# KiCad board ergotonic_f24 - コピー.kicad_pcb
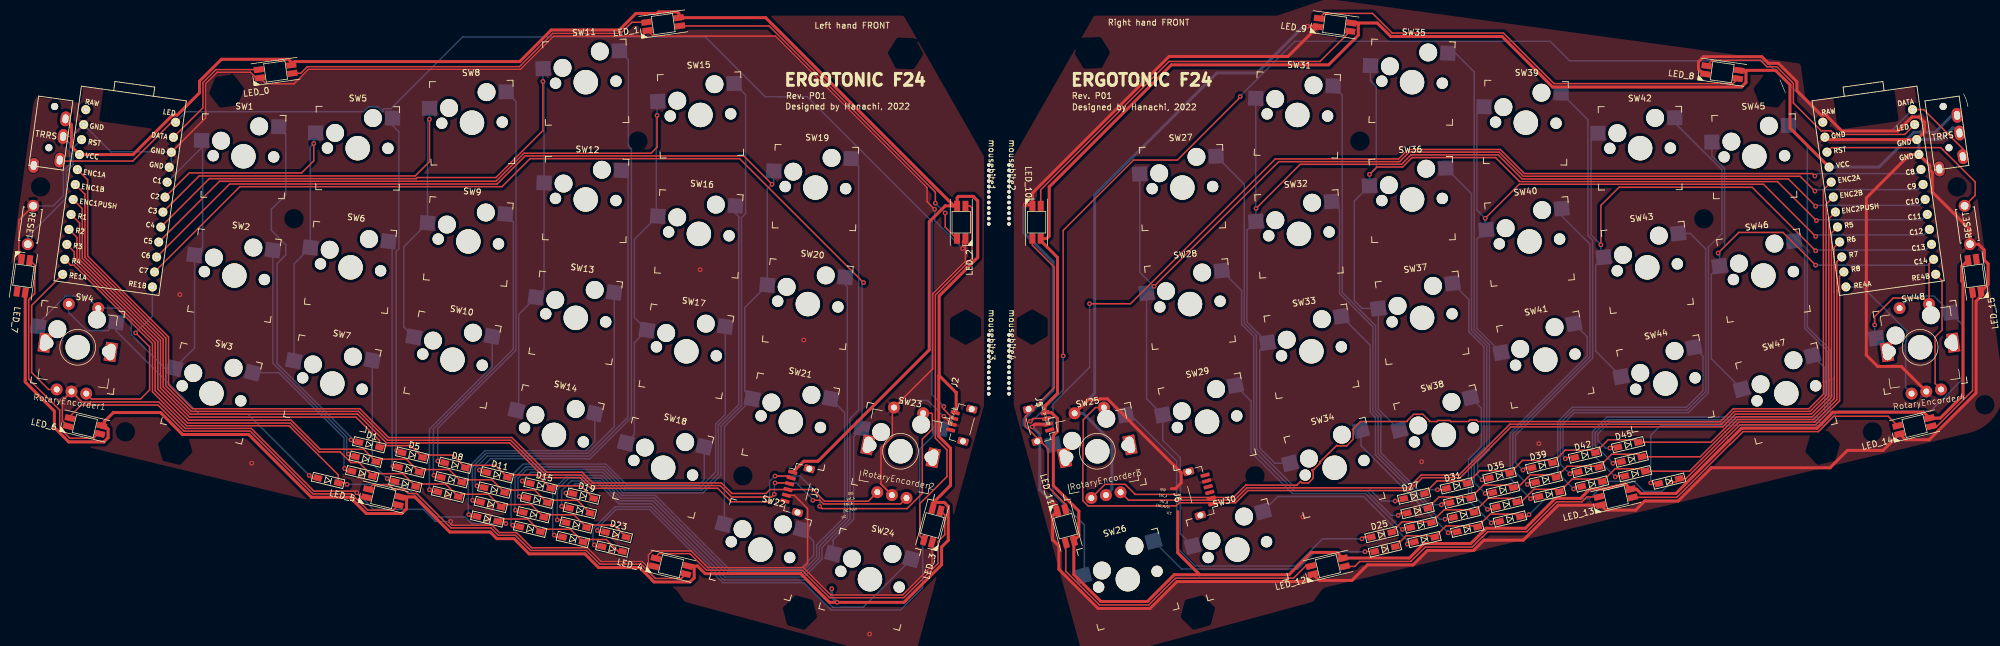
[diagram p0: board, top side]
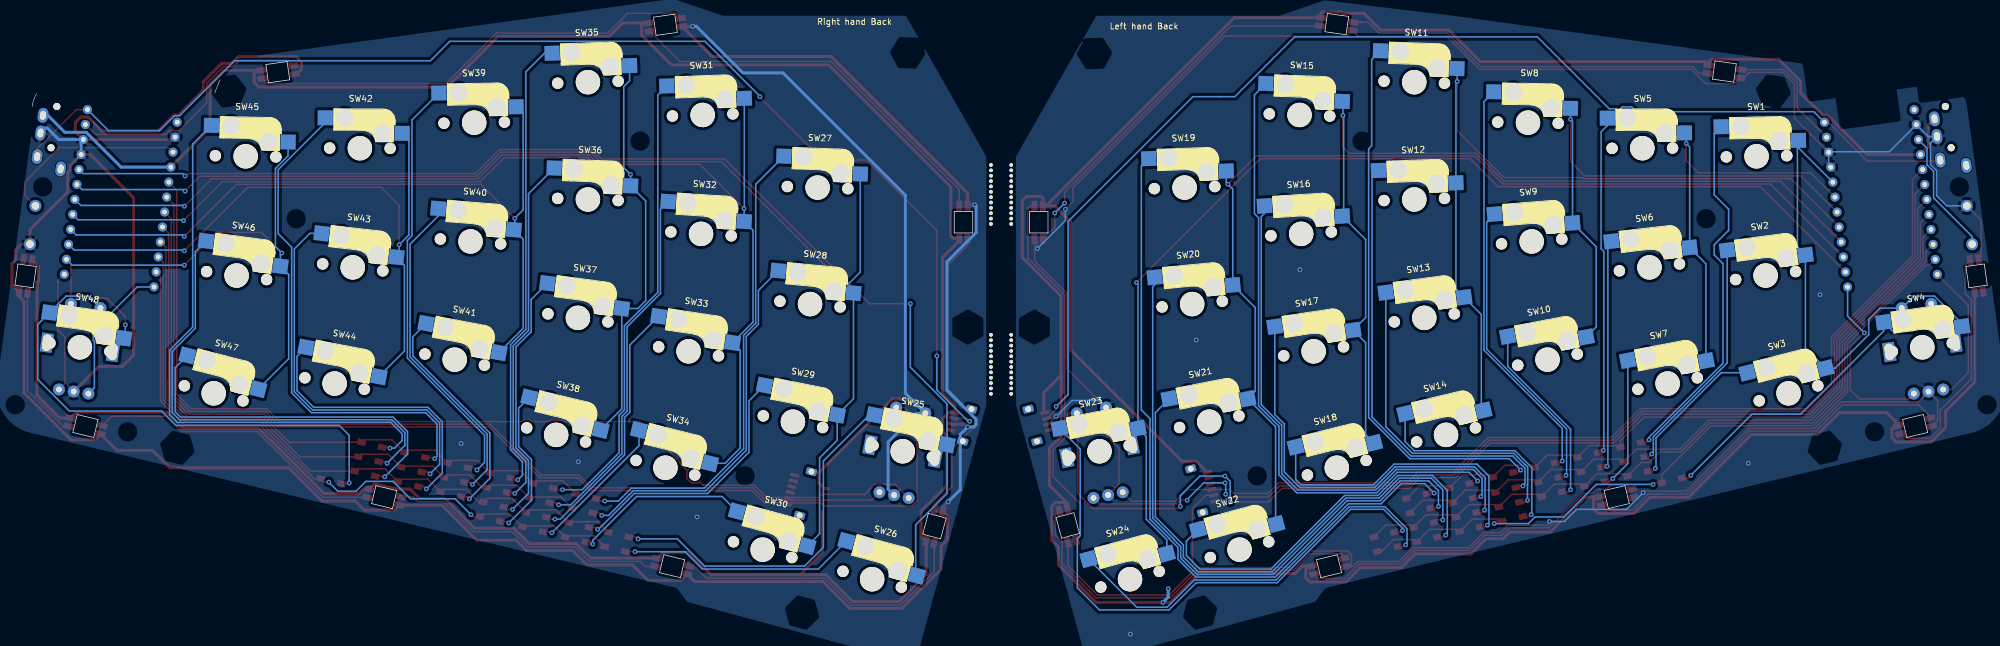
[diagram p1: board, bottom side, seen from below]

Outline 331.21 x 94.78 mm; copper layers: Top, Bottom. Coordinates in mm from the lower left corner of the outline.
Outline path: 296.78,83.65 297.69,81.4
Stack: Top 0.035mm / dielectric 1.51mm FR4 er 4.5 / Bottom 0.035mm

## Placement (name value [footprint] x y rotation side)
D1  1N4148W  [D3_SMD_v2]  59.86 22.33 166.5 top
D2  1N4148W  [D3_SMD_v2]  59.28 19.9 166.5 top
D3  1N4148W  [D3_SMD_v2]  58.7 17.47 166.5 top
D4  1N4148W  [D3_SMD_v2]  52.95 16.33 166.5 top
D5  1N4148W  [D3_SMD_v2]  67.1 20.6 166.5 top
D6  1N4148W  [D3_SMD_v2]  66.51 18.17 166.5 top
D7  1N4148W  [D3_SMD_v2]  65.93 15.73 166.5 top
D8  1N4148W  [D3_SMD_v2]  74.28 18.87 166.5 top
D9  1N4148W  [D3_SMD_v2]  73.69 16.44 166.5 top
D10  1N4148W  [D3_SMD_v2]  73.11 14.01 166.5 top
D11  1N4148W  [D3_SMD_v2]  81.33 17.27 166.5 top
D12  1N4148W  [D3_SMD_v2]  80.87 14.72 166.5 top
D13  1N4148W  [D3_SMD_v2]  80.29 12.29 166.5 top
D14  1N4148W  [D3_SMD_v2]  79.7 9.86 166.5 top
D15  1N4148W  [D3_SMD_v2]  88.63 15.43 166.5 top
D16  1N4148W  [D3_SMD_v2]  88.05 13 166.5 top
D17  1N4148W  [D3_SMD_v2]  87.47 10.56 166.5 top
D18  1N4148W  [D3_SMD_v2]  86.88 8.13 166.5 top
D19  1N4148W  [D3_SMD_v2]  95.81 13.7 166.5 top
D20  1N4148W  [D3_SMD_v2]  95.23 11.27 166.5 top
D21  1N4148W  [D3_SMD_v2]  94.64 8.84 166.5 top
D22  1N4148W  [D3_SMD_v2]  94.06 6.41 166.5 top
D23  1N4148W  [D3_SMD_v2]  101.28 7.24 166.5 top
D24  1N4148W  [D3_SMD_v2]  100.69 4.81 166.5 top
D25  1N4148W  [D3_SMD_v2]  229.86 7.24 193.5 top
D26  1N4148W  [D3_SMD_v2]  230.45 4.8 193.5 top
D27  1N4148W  [D3_SMD_v2]  235.33 13.7 193.5 top
D28  1N4148W  [D3_SMD_v2]  235.91 11.27 193.5 top
D29  1N4148W  [D3_SMD_v2]  236.49 8.84 193.5 top
D30  1N4148W  [D3_SMD_v2]  237.08 6.41 193.5 top
D31  1N4148W  [D3_SMD_v2]  242.5 15.42 193.5 top
D32  1N4148W  [D3_SMD_v2]  243.09 12.99 193.5 top
D33  1N4148W  [D3_SMD_v2]  243.67 10.56 193.5 top
D34  1N4148W  [D3_SMD_v2]  244.26 8.13 193.5 top
D35  1N4148W  [D3_SMD_v2]  249.68 17.15 193.5 top
D36  1N4148W  [D3_SMD_v2]  250.27 14.72 193.5 top
D37  1N4148W  [D3_SMD_v2]  250.85 12.29 193.5 top
D38  1N4148W  [D3_SMD_v2]  251.43 9.86 193.5 top
D39  1N4148W  [D3_SMD_v2]  256.86 18.87 193.5 top
D40  1N4148W  [D3_SMD_v2]  257.44 16.44 193.5 top
D41  1N4148W  [D3_SMD_v2]  258.03 14.01 193.5 top
D42  1N4148W  [D3_SMD_v2]  264.04 20.59 193.5 top
D43  1N4148W  [D3_SMD_v2]  264.62 18.16 193.5 top
D44  1N4148W  [D3_SMD_v2]  265.21 15.73 193.5 top
D45  1N4148W  [D3_SMD_v2]  271.28 22.33 193.5 top
D46  1N4148W  [D3_SMD_v2]  271.86 19.9 193.5 top
D47  1N4148W  [D3_SMD_v2]  272.44 17.47 193.5 top
D48  1N4148W  [D3_SMD_v2]  278.14 16.22 193.5 top
J1  MJ-4PP-9  [MJ-4PP-9_1side]  7.24 80.64 352 top
J2  Conn_01x04  [JST_SH_BM03B-SRSS-TB_1x04-1MP_P1.00mm_Vertical]  159.16 25.92 254.9 top
J3  Conn_01x06  [JST_SH_BM03B-SRSS-TB_1x06-1MP_P1.00mm_Vertical]  131.61 14.94 254.9 top
J4  MJ-4PP-9  [MJ-4PP-9_1side]  323.97 80.64 8 top
J5  Conn_01x04  [JST_SH_BM03B-SRSS-TB_1x04-1MP_P1.00mm_Vertical]  172.48 25.92 105.1 top
J6  Conn_01x06  [JST_SH_BM03B-SRSS-TB_1x06-1MP_P1.00mm_Vertical]  199.61 14.45 105.1 top
LED_0  -  [YS-SK6812MINI-E]  44.14 85.03 8 top
LED_1  -  [YS-SK6812MINI-E]  109.23 93 8 top
LED_2  -  [YS-SK6812MINI-E]  159.29 59.71 90 top
LED_3  YS-SK6812MINI-E  [YS-SK6812MINI-E#3]  154.42 8.77 74.9 top
LED_4  -  [YS-SK6812MINI-E]  110.53 1.93 346.5 top
LED_5  -  [YS-SK6812MINI-E]  62.23 13.53 346.5 top
LED_6  -  [YS-SK6812MINI-E]  12.11 25.48 346.5 top
LED_7  -  [YS-SK6812MINI-E]  1.79 50.7 262 top
LED_8  -  [YS-SK6812MINI-E]  287.07 84.91 352 top
LED_9  -  [YS-SK6812MINI-E]  221.98 92.87 352 top
LED_10  -  [YS-SK6812MINI-E]  171.93 59.71 270 top
LED_11  YS-SK6812MINI-E  [YS-SK6812MINI-E#2]  176.8 8.66 285.1 top
LED_12  -  [YS-SK6812MINI-E]  220.85 1.93 13.5 top
LED_13  -  [YS-SK6812MINI-E]  269.2 13.53 13.5 top
LED_14  -  [YS-SK6812MINI-E]  319.37 25.48 13.5 top
LED_15  -  [YS-SK6812MINI-E]  329.43 50.7 98 top
mousebite1  -  [mousebite]  163.61 69.62 270 top
mousebite2  -  [mousebite]  167.01 69.62 270 top
mousebite3  -  [mousebite]  163.61 41.09 270 top
mousebite4  -  [mousebite]  167.01 41.09 270 top
RE1  RotaryEncoder_Switch  [RotaryEncoder_Alps_EC11E-Switch_Vertical_H20mm_rev2]  10.91 38.69 82 top
RE2  RotaryEncoder_Switch  [RotaryEncoder_Alps_EC11E-Switch_Vertical_H20mm_rev2]  149.08 21.23 78.9 top
RE3  RotaryEncoder_Switch  [RotaryEncoder_Alps_EC11E-Switch_Vertical_H20mm_rev2]  182.13 21.23 101.1 top
RE4  RotaryEncoder_Switch  [RotaryEncoder_Alps_EC11E-Switch_Vertical_H20mm_rev2]  320.31 38.69 98 top
SW1  SW_PUSH  [CherryMX_Hotswap]  38.74 70.78 358.9 top
SW2  SW_PUSH  [CherryMX_Hotswap]  37.22 50.75 352.4 top
SW3  SW_PUSH  [CherryMX_Hotswap]  33.37 30.97 345.6 top
SW4  SW_PUSH  [CherryMX_Hotswap]  10.91 38.69 352 top
SW5  SW_PUSH  [CherryMX_Hotswap]  57.93 72.15 359.7 top
SW6  SW_PUSH  [CherryMX_Hotswap]  56.73 52.13 353.4 top
SW7  SW_PUSH  [CherryMX_Hotswap]  53.68 32.61 349.1 top
SW8  SW_PUSH  [CherryMX_Hotswap]  77.12 76.43 1.1 top
SW9  SW_PUSH  [CherryMX_Hotswap]  76.51 56.48 355.4 top
SW10  SW_PUSH  [CherryMX_Hotswap]  73.85 36.62 349.3 top
SW11  SW_PUSH  [CherryMX_Hotswap]  96.23 83.23 2 top
SW12  SW_PUSH  [CherryMX_Hotswap]  96.22 63.53 358 top
SW13  SW_PUSH  [CherryMX_Hotswap]  94.54 43.64 352.4 top
SW14  SW_PUSH  [CherryMX_Hotswap]  90.88 23.98 346.5 top
SW15  SW_PUSH  [CherryMX_Hotswap]  115.49 77.73 2 top
SW16  SW_PUSH  [CherryMX_Hotswap]  115.22 57.75 356.4 top
SW17  SW_PUSH  [CherryMX_Hotswap]  113.13 38.02 351.5 top
SW18  SW_PUSH  [CherryMX_Hotswap]  109.23 18.46 346 top
SW19  SW_PUSH  [CherryMX_Hotswap]  134.79 65.53 358 top
SW20  SW_PUSH  [CherryMX_Hotswap]  133.52 45.96 354.6 top
SW21  SW_PUSH  [CherryMX_Hotswap]  130.65 26.2 348.9 top
SW22  SW_PUSH  [CherryMX_Hotswap]  125.57 4.71 344.9 top
SW23  SW_PUSH  [CherryMX_Hotswap]  149.08 21.23 348.9 top
SW24  SW_PUSH  [CherryMX_Hotswap]  143.96 -0.26 344.9 top
SW25  SW_PUSH  [CherryMX_Hotswap]  182.13 21.23 11.1 top
SW26  SW_PUSH  [CherryMX_Hotswap]  187.26 -0.26 15.1 top
SW27  SW_PUSH  [CherryMX_Hotswap]  196.42 65.53 2 top
SW28  SW_PUSH  [CherryMX_Hotswap]  197.7 45.96 5.4 top
SW29  SW_PUSH  [CherryMX_Hotswap]  200.56 26.2 11.1 top
SW30  SW_PUSH  [CherryMX_Hotswap]  205.65 4.71 15.1 top
SW31  SW_PUSH  [CherryMX_Hotswap]  215.72 77.73 357.9 top
SW32  SW_PUSH  [CherryMX_Hotswap]  215.99 57.75 3.6 top
SW33  SW_PUSH  [CherryMX_Hotswap]  218.09 38.02 8.5 top
SW34  SW_PUSH  [CherryMX_Hotswap]  221.98 18.46 14 top
SW35  SW_PUSH  [CherryMX_Hotswap]  234.99 83.23 358 top
SW36  SW_PUSH  [CherryMX_Hotswap]  235 63.53 2 top
SW37  SW_PUSH  [CherryMX_Hotswap]  236.67 43.64 7.6 top
SW38  SW_PUSH  [CherryMX_Hotswap]  240.33 23.98 13.5 top
SW39  SW_PUSH  [CherryMX_Hotswap]  254.09 76.43 358.9 top
SW40  SW_PUSH  [CherryMX_Hotswap]  254.71 56.48 4.6 top
SW41  SW_PUSH  [CherryMX_Hotswap]  257.37 36.62 10.7 top
SW42  SW_PUSH  [CherryMX_Hotswap]  273.29 72.15 0.3 top
SW43  SW_PUSH  [CherryMX_Hotswap]  274.49 52.13 6.5 top
SW44  SW_PUSH  [CherryMX_Hotswap]  277.54 32.61 10.8 top
SW45  SW_PUSH  [CherryMX_Hotswap]  292.47 70.78 1.1 top
SW46  SW_PUSH  [CherryMX_Hotswap]  293.99 50.75 7.6 top
SW47  SW_PUSH  [CherryMX_Hotswap]  297.84 30.97 14.4 top
SW48  SW_PUSH  [CherryMX_Hotswap]  320.31 38.69 8 top
SW_RESET1  SW_PUSH  [ResetSW_1side]  2.98 59.24 262 top
SW_RESET2  SW_PUSH  [ResetSW_1side]  328.24 59.24 98 top
U1  ProMicro_r  [ProMicro]  17.75 63.23 352 top
U2  ProMicro_r  [ProMicro]  313.47 63.23 8 top

## Footprints (pads in the part's own frame, mm; a bottom-side part is the same pattern mirrored in y, then rotated)
CherryMX_Hotswap
  round 1.9 hole 1.9 unplated: (-5.08,0) (5.08,0)
  round 3 hole 3 unplated: (-3.81,2.54) (2.54,5.08)
  round 4.1 hole 4.1 unplated: (0,0)
  rect 2.55x2.5 smd far side: 1(-7.085,2.54) 2(5.842,5.08)
D3_SMD_v2
  rect 1.4x1 smd: 1(-1.775,0) 2(1.775,0)
JST_SH_BM03B-SRSS-TB_1x04-1MP_P1.00mm_Vertical
  rrect 0.6x1.55 smd: 1(-1.5,-1.325) 2(-0.5,-1.325) 3(0.5,-1.325) 4(1.5,-1.325)
  rrect 1.2x1.8 hole 1: MP(-2.8,1.2) MP(2.8,1.2)
JST_SH_BM03B-SRSS-TB_1x06-1MP_P1.00mm_Vertical
  rrect 0.6x1.55 smd: 1(-2.5,-1.325) 2(-1.5,-1.325) 3(-0.5,-1.325) 4(0.5,-1.325) 5(1.5,-1.325) 6(2.5,-1.325)
  rrect 1.2x1.8 hole 1: MP(-3.8,1.2) MP(3.8,1.2)
MJ-4PP-9_1side
  round 1.2 hole 1.2 unplated: (0,-1.5) (0,-8.5)
  oval 1.7x2.5 hole 1x1.5: A(-2.1,-11.8) B(2.1,-3.3) C(2.1,-6.3) D(2.1,-10.3)
mousebite
  round 0.6 hole 0.6 unplated: (0.3,0.3) (1.2,0.3) (2.1,0.3) (3,0.3) (3.9,0.3) (4.8,0.3) (5.7,0.3) (6.6,0.3) (7.5,0.3) (8.4,0.3) (9.3,0.3) (10.2,0.3)
ProMicro
  round 1.524 hole 0.813: 1(7.656,14.478) 2(7.656,11.938) 3(7.656,9.398) 4(7.656,6.858) 5(7.656,4.318) 6(7.656,1.778) 7(7.656,-0.762) 8(7.656,-3.302) 9(7.656,-5.842) 10(7.656,-8.382) 11(7.656,-10.922) 12(7.656,-13.462) 13(-7.564,-13.462) 14(-7.564,-10.922) 15(-7.564,-8.382) 16(-7.564,-5.842) 17(-7.564,-3.302) 18(-7.564,-0.762) 19(-7.564,1.778) 20(-7.564,4.318) 21(-7.564,6.858) 22(-7.564,9.398) 23(-7.564,11.938) 24(-7.564,14.478)
ResetSW_1side
  round 2 hole 1.3: 1(3.25,0) 2(-3.25,0)
RotaryEncoder_Alps_EC11E-Switch_Vertical_H20mm_rev2
  round 2 hole 1: A(-7.5,2.5) B(-7.5,-2.5) C(-7.5,0) S1(7,-2.5) S2(7,2.5)
  rect 3.2x2 hole 2.8x1.5: MP(0,5.6) MP(0,-5.6)
YS-SK6812MINI-E
  rect 1.7x1 smd: 1(2.75,0.7) 2(2.75,-0.7) 3(-2.75,-0.7) 4(-2.75,0.7)
YS-SK6812MINI-E#2
  rect 1.7x1 smd: 1(2.75,0.7) 2(2.75,-0.7) 3(-2.75,-0.7) 4(-2.75,0.7)
YS-SK6812MINI-E#3
  rect 1.7x1 smd: 1(2.75,0.7) 2(2.75,-0.7) 3(-2.75,-0.7) 4(-2.75,0.7)

## Nets
GND: J1.C J2.3 J3.5 LED_0.3 LED_1.3 LED_2.3 LED_3.3 LED_4.3 LED_5.3 LED_6.3 LED_7.3 RE1.C RE2.C RE2.S2 SW_RESET1.2 U1.3 U1.4 U1.23
GND2: J4.C J5.2 J6.5 LED_8.3 LED_9.3 LED_10.3 LED_11.3 LED_12.3 LED_13.3 LED_14.3 LED_15.3 RE3.C RE3.S2 RE4.C SW_RESET2.2 U2.3 U2.4 U2.23
VCC: J1.B J2.1 J3.1 LED_0.1 LED_1.1 LED_2.1 LED_3.1 LED_4.1 LED_5.1 LED_6.1 LED_7.1 U1.21
VCC2: J4.B J5.4 J6.1 LED_8.1 LED_9.1 LED_10.1 LED_11.1 LED_12.1 LED_13.1 LED_14.1 LED_15.1 U2.21
C1: RE1.S1 SW1.1 SW2.1 SW3.1 SW4.1 U1.5
C2: SW5.1 SW6.1 SW7.1 U1.6
C3: SW8.1 SW9.1 SW10.1 U1.7
C4: SW11.1 SW12.1 SW13.1 SW14.1 U1.8
C5: SW15.1 SW16.1 SW17.1 SW18.1 U1.9
C6: SW19.1 SW20.1 SW21.1 SW22.1 U1.10
C7: SW23.1 SW24.1 U1.11
C8: SW25.1 SW26.1 U2.5
C9: SW27.1 SW28.1 SW29.1 SW30.1 U2.6
C10: SW31.1 SW32.1 SW33.1 SW34.1 U2.7
C11: SW35.1 SW36.1 SW37.1 SW38.1 U2.8
C12: SW39.1 SW40.1 SW41.1 U2.9
C13: SW42.1 SW43.1 SW44.1 U2.10
C14: RE4.S1 SW45.1 SW46.1 SW47.1 SW48.1 U2.11
D4: D4.2 RE1.S2 SW4.2
D48: D48.2 RE4.S2 SW48.2
DATA: J1.D J2.2 U1.1
DATA2: J4.D J5.3 U2.1
ENC2_A: J6.4 RE3.A U2.20
ENC2_B: J6.3 RE3.B U2.19
ENC2_PUSH: J6.2 RE3.S1 U2.18
ENC_A: J3.4 RE2.A U1.20
ENC_B: J3.3 RE2.B U1.19
ENC_PUSH: J3.2 RE2.S1 U1.18
LED: LED_0.4 U1.2
LED2: LED_8.4 U2.2
R1: D1.1 D5.1 D8.1 D11.1 D15.1 D19.1 U1.17
R2: D2.1 D6.1 D9.1 D12.1 D16.1 D20.1 U1.16
R3: D3.1 D7.1 D10.1 D13.1 D17.1 D21.1 D23.1 U1.15
R4: D4.1 D14.1 D18.1 D22.1 D24.1 U1.14
R5: D27.1 D31.1 D35.1 D39.1 D42.1 D45.1 U2.17
R6: D28.1 D32.1 D36.1 D40.1 D43.1 D46.1 U2.16
R7: D25.1 D29.1 D33.1 D37.1 D41.1 D44.1 D47.1 U2.15
R8: D26.1 D30.1 D34.1 D38.1 D48.1 U2.14
RE1A: RE1.A U1.13
RE1B: RE1.B U1.12
RE4A: RE4.A U2.13
RE4B: RE4.B U2.12
RESET: SW_RESET1.1 U1.22
RESET2: SW_RESET2.1 U2.22
Net-(D1-Pad2): D1.2 SW1.2
Net-(D2-Pad2): D2.2 SW2.2
Net-(D3-Pad2): D3.2 SW3.2
Net-(D5-Pad2): D5.2 SW5.2
Net-(D6-Pad2): D6.2 SW6.2
Net-(D7-Pad2): D7.2 SW7.2
Net-(D8-Pad2): D8.2 SW8.2
Net-(D9-Pad2): D9.2 SW9.2
Net-(D10-Pad2): D10.2 SW10.2
Net-(D11-Pad2): D11.2 SW11.2
Net-(D12-Pad2): D12.2 SW12.2
Net-(D13-Pad2): D13.2 SW13.2
Net-(D14-Pad2): D14.2 SW14.2
Net-(D15-Pad2): D15.2 SW15.2
Net-(D16-Pad2): D16.2 SW16.2
Net-(D17-Pad2): D17.2 SW17.2
Net-(D18-Pad2): D18.2 SW18.2
Net-(D19-Pad2): D19.2 SW19.2
Net-(D20-Pad2): D20.2 SW20.2
Net-(D21-Pad2): D21.2 SW21.2
Net-(D22-Pad2): D22.2 SW22.2
Net-(D23-Pad2): D23.2 SW23.2
Net-(D24-Pad2): D24.2 SW24.2
Net-(D25-Pad2): D25.2 SW25.2
Net-(D26-Pad2): D26.2 SW26.2
Net-(D27-Pad2): D27.2 SW27.2
Net-(D28-Pad2): D28.2 SW28.2
Net-(D29-Pad2): D29.2 SW29.2
Net-(D30-Pad2): D30.2 SW30.2
Net-(D31-Pad2): D31.2 SW31.2
Net-(D32-Pad2): D32.2 SW32.2
Net-(D33-Pad2): D33.2 SW33.2
Net-(D34-Pad2): D34.2 SW34.2
Net-(D35-Pad2): D35.2 SW35.2
Net-(D36-Pad2): D36.2 SW36.2
Net-(D37-Pad2): D37.2 SW37.2
Net-(D38-Pad2): D38.2 SW38.2
Net-(D39-Pad2): D39.2 SW39.2
Net-(D40-Pad2): D40.2 SW40.2
Net-(D41-Pad2): D41.2 SW41.2
Net-(D42-Pad2): D42.2 SW42.2
Net-(D43-Pad2): D43.2 SW43.2
Net-(D44-Pad2): D44.2 SW44.2
Net-(D45-Pad2): D45.2 SW45.2
Net-(D46-Pad2): D46.2 SW46.2
Net-(D47-Pad2): D47.2 SW47.2
Net-(LED_0-Pad2): LED_0.2 LED_1.4
Net-(LED_1-Pad2): LED_1.2 LED_2.4
Net-(LED_2-Pad2): LED_2.2 LED_3.4
Net-(LED_3-Pad2): LED_3.2 LED_4.4
Net-(LED_4-Pad2): LED_4.2 LED_5.4
Net-(LED_5-Pad2): LED_5.2 LED_6.4
Net-(LED_6-Pad2): LED_6.2 LED_7.4
Net-(LED_8-Pad2): LED_8.2 LED_9.4
Net-(LED_10-Pad2): LED_10.2 LED_11.4
Net-(LED_10-Pad4): LED_9.2 LED_10.4
Net-(LED_11-Pad2): LED_11.2 LED_12.4
Net-(LED_12-Pad2): LED_12.2 LED_13.4
Net-(LED_13-Pad2): LED_13.2 LED_14.4
Net-(LED_14-Pad2): LED_14.2 LED_15.4

Pads without a net: J1 A; J2 4 MP; J3 6 MP; J4 A; J5 1 MP; J6 6 MP; LED_7 2; LED_15 2; RE1 MP; RE2 MP; RE3 MP; RE4 MP; U1 24; U2 24

## Via types
v1: diameter 0.8, hole 0.4, Top to Bottom, 105 vias

## Routing (per net, layer and track width the routed paths; a pad name or vN(x,y) marks a point on that pad's centre or on a via; arc(x,y) is an arc through that point)
GND: length 475.2
  Top w0.25: v1(154.81,61.89) 153.54,63.16 153.54,65.51 128.08,90.98 107.55,90.98 LED_1.3 105.66,90.98 90.86,90.98 85.27,85.39 49.66,85.39 47.24,82.98 42.5,82.98 LED_0.3 40.86,83.96 39.93,84.9 34.3,84.9 32.38,82.98 32.38,77.22 U1.3 ; v1(159.51,55.29) 159.51,56.48 LED_2.3 ; 159.91,55.78 159.99,55.86 LED_2.3 ; LED_7.3 1.03,53.96 1.03,60.06 SW_RESET1.2 ; 145.69,15.82 RE2.C 145.8,15.71 145.8,21.77 147.71,23.68 147.71,28.31 RE2.S2 154.49,35.09 154.49,47.69 159.99,53.18 LED_2.3 ; v1(156.36,27.1) 156.36,27.05 157.63,25.78 J2.3 ; LED_3.3 154.38,2.02 149.44,-2.91 137.37,-2.91 132.76,1.7 ; LED_6.3 9.27,25.44 8.34,26.38 8.34,29.74 RE1.C 11.62,29.51 24.53,29.51 28.97,25.07 40.05,25.07 40.65,24.47 50.59,14.53 57.52,14.53 v1(57.78,14.27) 57.78,14.22 58.52,13.49 LED_5.3 ; 132.76,1.7 116.7,1.7 113.91,4.49 107.41,4.49 106.75,3.84 106.75,1.96 106.82,1.89 LED_4.3 106.54,1.89 105.71,2.72 98.8,2.72 96.5,5.02 87.15,5.02 84.6,7.57 81.72,7.57 80.48,8.81 73.79,8.81 73.53,9.06 v1(73.53,9.44) ; 132.76,1.7 133.48,2.42 133.48,11.6 131.24,13.84 J3.5
  Bottom w0.25: SW_RESET1.2 6.78,62.46 8.51,64.18 8.51,68.38 9.52,69.4 9.52,73.03 J1.C 9.92,74.11 U1.23 16.47,71.55 26.56,71.55 U1.3 26.64,69.31 U1.4 ; RE2.S2 149.16,29.76 153.67,29.76 156.34,27.1 v1(156.36,27.1) ; v1(73.53,9.44) 70.99,9.44 68.97,11.47 60.58,11.47 v1(57.78,14.27) ; v1(159.51,55.29) 154.81,59.99 v1(154.81,61.89)
  vias: v1(28.07,47.54) v1(40.13,19.22) v1(115.44,51.73) v1(132.84,39.92) v1(143.89,-9.48)
GND2: length 617.7
  Top w0.5: v1(170.05,62.66) 171.03,62.66 LED_10.3 171.23,64.59 194.18,87.55 214.14,87.55 LED_9.3 219.1,92.63 v1(217.42,92.63) ; RE3.S2 180.62,29.9 182.51,29.9 182.63,30.03 183.83,30.03 196.21,17.65 196.21,15.92 195.25,14.95 194.6,14.95 ; RE4.C 317.14,35.48 313.18,35.48 311.28,37.38 311.28,63.8 318.56,71.08 U2.4 321.94,69.24 321.94,68.5 322.35,68.09 322.35,64.79 328.69,58.45 SW_RESET2.2 330.1,56.02 331.09,55.03 331.09,53.36 331.72,52.72 331.72,49.27 330.53,48.07 LED_15.3 330.51,47.24 329.69,46.43 329.69,31.03 321.82,23.16 317.86,23.16 LED_14.3 314.09,21.38 308.1,21.38 305.18,18.46 285.24,18.46 279.65,12.87 274.07,12.87 272.54,11.35 267.55,11.35 LED_13.3 266.66,12.18 259.53,12.18 253.65,6.3 247.04,6.3 245.32,4.57 244.85,4.57 237.58,4.57 235.14,2.14 227.49,2.14 224.89,-0.46 219.41,-0.46 LED_12.3 217.08,-0.66 195.51,-0.66 191.01,-5.16 182.26,-5.16 175.68,1.41 175.68,5.31 174.62,6.37 174.62,9.8 174.56,10.03 174.56,10.29 LED_11.3 175.4,11.84 v1(174.5,12.74) ; 171.53,25.65 v1(171.2,25.32) 171.66,25.78 J5.2 ; U2.23 304.72,73.6 U2.3 321.06,74.91 321.06,76.5 320.17,77.39 318.95,77.39 316.6,75.04 307.15,75.04 304.47,77.72 303.7,77.72 299.6,81.83 299.6,83.31 296.51,86.4 294.82,86.4 293.71,87.51 283.95,87.51 283.09,86.65 283.09,85.43 283.91,84.6 LED_8.3
  Bottom w0.5: U2.4 320.1,73.25 U2.3 323.85,73.6 325.78,75.52 326.94,75.52 ; v1(217.42,92.63) 216.79,92.63 208.96,84.8 202.23,84.8 181.68,64.25 181.68,30.98 178.33,27.62 RE3.S2 179.74,27.62 184.58,22.78 184.58,14.87 RE3.C ; v1(170.05,62.66) 169.8,62.4 169.8,57.96 174.7,53.05 174.7,31.49 169.8,26.59 169.8,25.7 170.18,25.32 v1(171.2,25.32) 172.47,24.06 172.47,14.78 v1(174.5,12.74)
  vias: v1(216.66,10.2) v1(236.6,19.48) v1(256.29,22.52)
VCC: length 530.2
  Top w0.5: LED_6.1 15.45,25.52 16.02,24.95 16.02,23.52 15.3,22.8 9.41,22.8 6.98,25.23 6.98,27.98 2.1,32.87 LED_7.1 ; 157.92,62.46 157.92,62.59 126.43,94.07 LED_1.1 111.86,94.81 111.63,95.04 108.46,95.04 108.2,94.79 104.65,94.79 101.86,92 90.43,92 85.13,86.7 47.35,86.7 LED_0.1 46.77,86.62 46.3,87.08 35.04,87.08 31.36,83.4 31.36,81.44 27.63,77.71 26.84,77.71 20.2,71.07 U1.21 9.86,72.42 9.86,76.08 J1.B ; 157.92,62.46 LED_2.1 158.59,63.81 158.83,64.05 161.29,64.05 162.05,63.29 162.05,53.8 155.57,47.32 155.57,33.95 ; 157.92,62.46 156.59,62.46 153.92,59.78 153.92,38.26 135.21,19.56 132.84,19.56 J3.1 ; 155.57,33.95 158.41,31.12 158.43,31.12 158.43,27.88 J2.1 ; 155.57,33.95 155.51,33.89 155.51,23.73 157.48,21.76 157.48,15.5 154.46,12.48 ; LED_3.1 154.46,12.48 ; 154.46,12.48 154.61,12.64 156.44,12.64 157.1,11.98 157.1,6.27 155.98,5.15 155.98,2.18 149.66,-4.15 v1(138.43,-4.15) 137.16,-4.15 132.33,0.68 116.27,0.68 114.98,1.97 LED_4.1 114.24,1.97 114.44,1.77 114.44,-0.03 113.75,-0.72 107.7,-0.72 105.28,1.7 98.37,1.7 96.07,4 86.72,4 84.17,6.55 81.29,6.55 80.18,7.66 73.41,7.66 67.5,13.57 LED_5.1 65.94,13.57 66.13,13.38 66.13,11.57 65.33,10.77 59.37,10.77 56.64,13.51 50.16,13.51 39.62,24.05 28.51,24.05 24.83,27.73 16.89,27.73 15.37,26.21 15.37,25.82 14.95,25.82
  Bottom w0.5: v1(137.54,-1.86) 137.54,-3.26 v1(138.43,-4.15)
VCC2: length 467.3
  Top w0.5: 195.64,11.09 195.64,4.18 199.33,0.49 ; 173.16,27.6 173.26,27.7 174.46,27.7 175.43,26.72 175.43,24.57 174.75,23.89 174.75,15.46 179.03,11.18 179.03,7.03 LED_11.1 178.19,0.53 182.73,-4.01 190.53,-4.01 195.04,0.49 199.33,0.49 ; J5.4 173.37,28.88 175.45,30.97 175.45,53.78 172.63,56.61 LED_10.1 173.63,56.96 174.05,57.38 174.05,65.64 194.56,86.14 220.97,86.14 225.97,91.14 225.97,92.88 225.66,93.18 LED_9.1 229.13,93.18 231.41,90.91 250.11,90.91 258.59,82.42 290.31,82.42 291.06,83.18 291.06,84.92 290.75,85.22 LED_8.1 296.02,85.22 298.45,82.8 298.45,75.54 U2.21 ; 199.33,0.49 214.31,0.49 218.06,4.24 222.38,4.24 LED_12.1 223.4,3.29 234.54,3.29 236.97,5.72 244.85,5.72 246.57,7.45 246.64,7.45 247.23,8.04 247.23,8.11 247.43,8.31 254.03,8.31 259.05,13.32 263.29,13.32 264.85,14.88 267.13,14.88 270.63,15.72 270.84,15.72 LED_13.1 272.71,14.85 273.42,14.14 279.3,14.14 288.14,22.98 288.19,22.98 290.32,25.11 302.99,25.11 305.68,27.8 320.89,27.8 LED_14.1 323.68,26.8 327.51,30.63 327.51,49.59 327.28,49.83 327.28,52.27 328.33,53.33 LED_15.1